# Altium PCB pUFM_Digital_Interface_R0.1-PCB.PcbDoc (part 2 of 3) (continued)
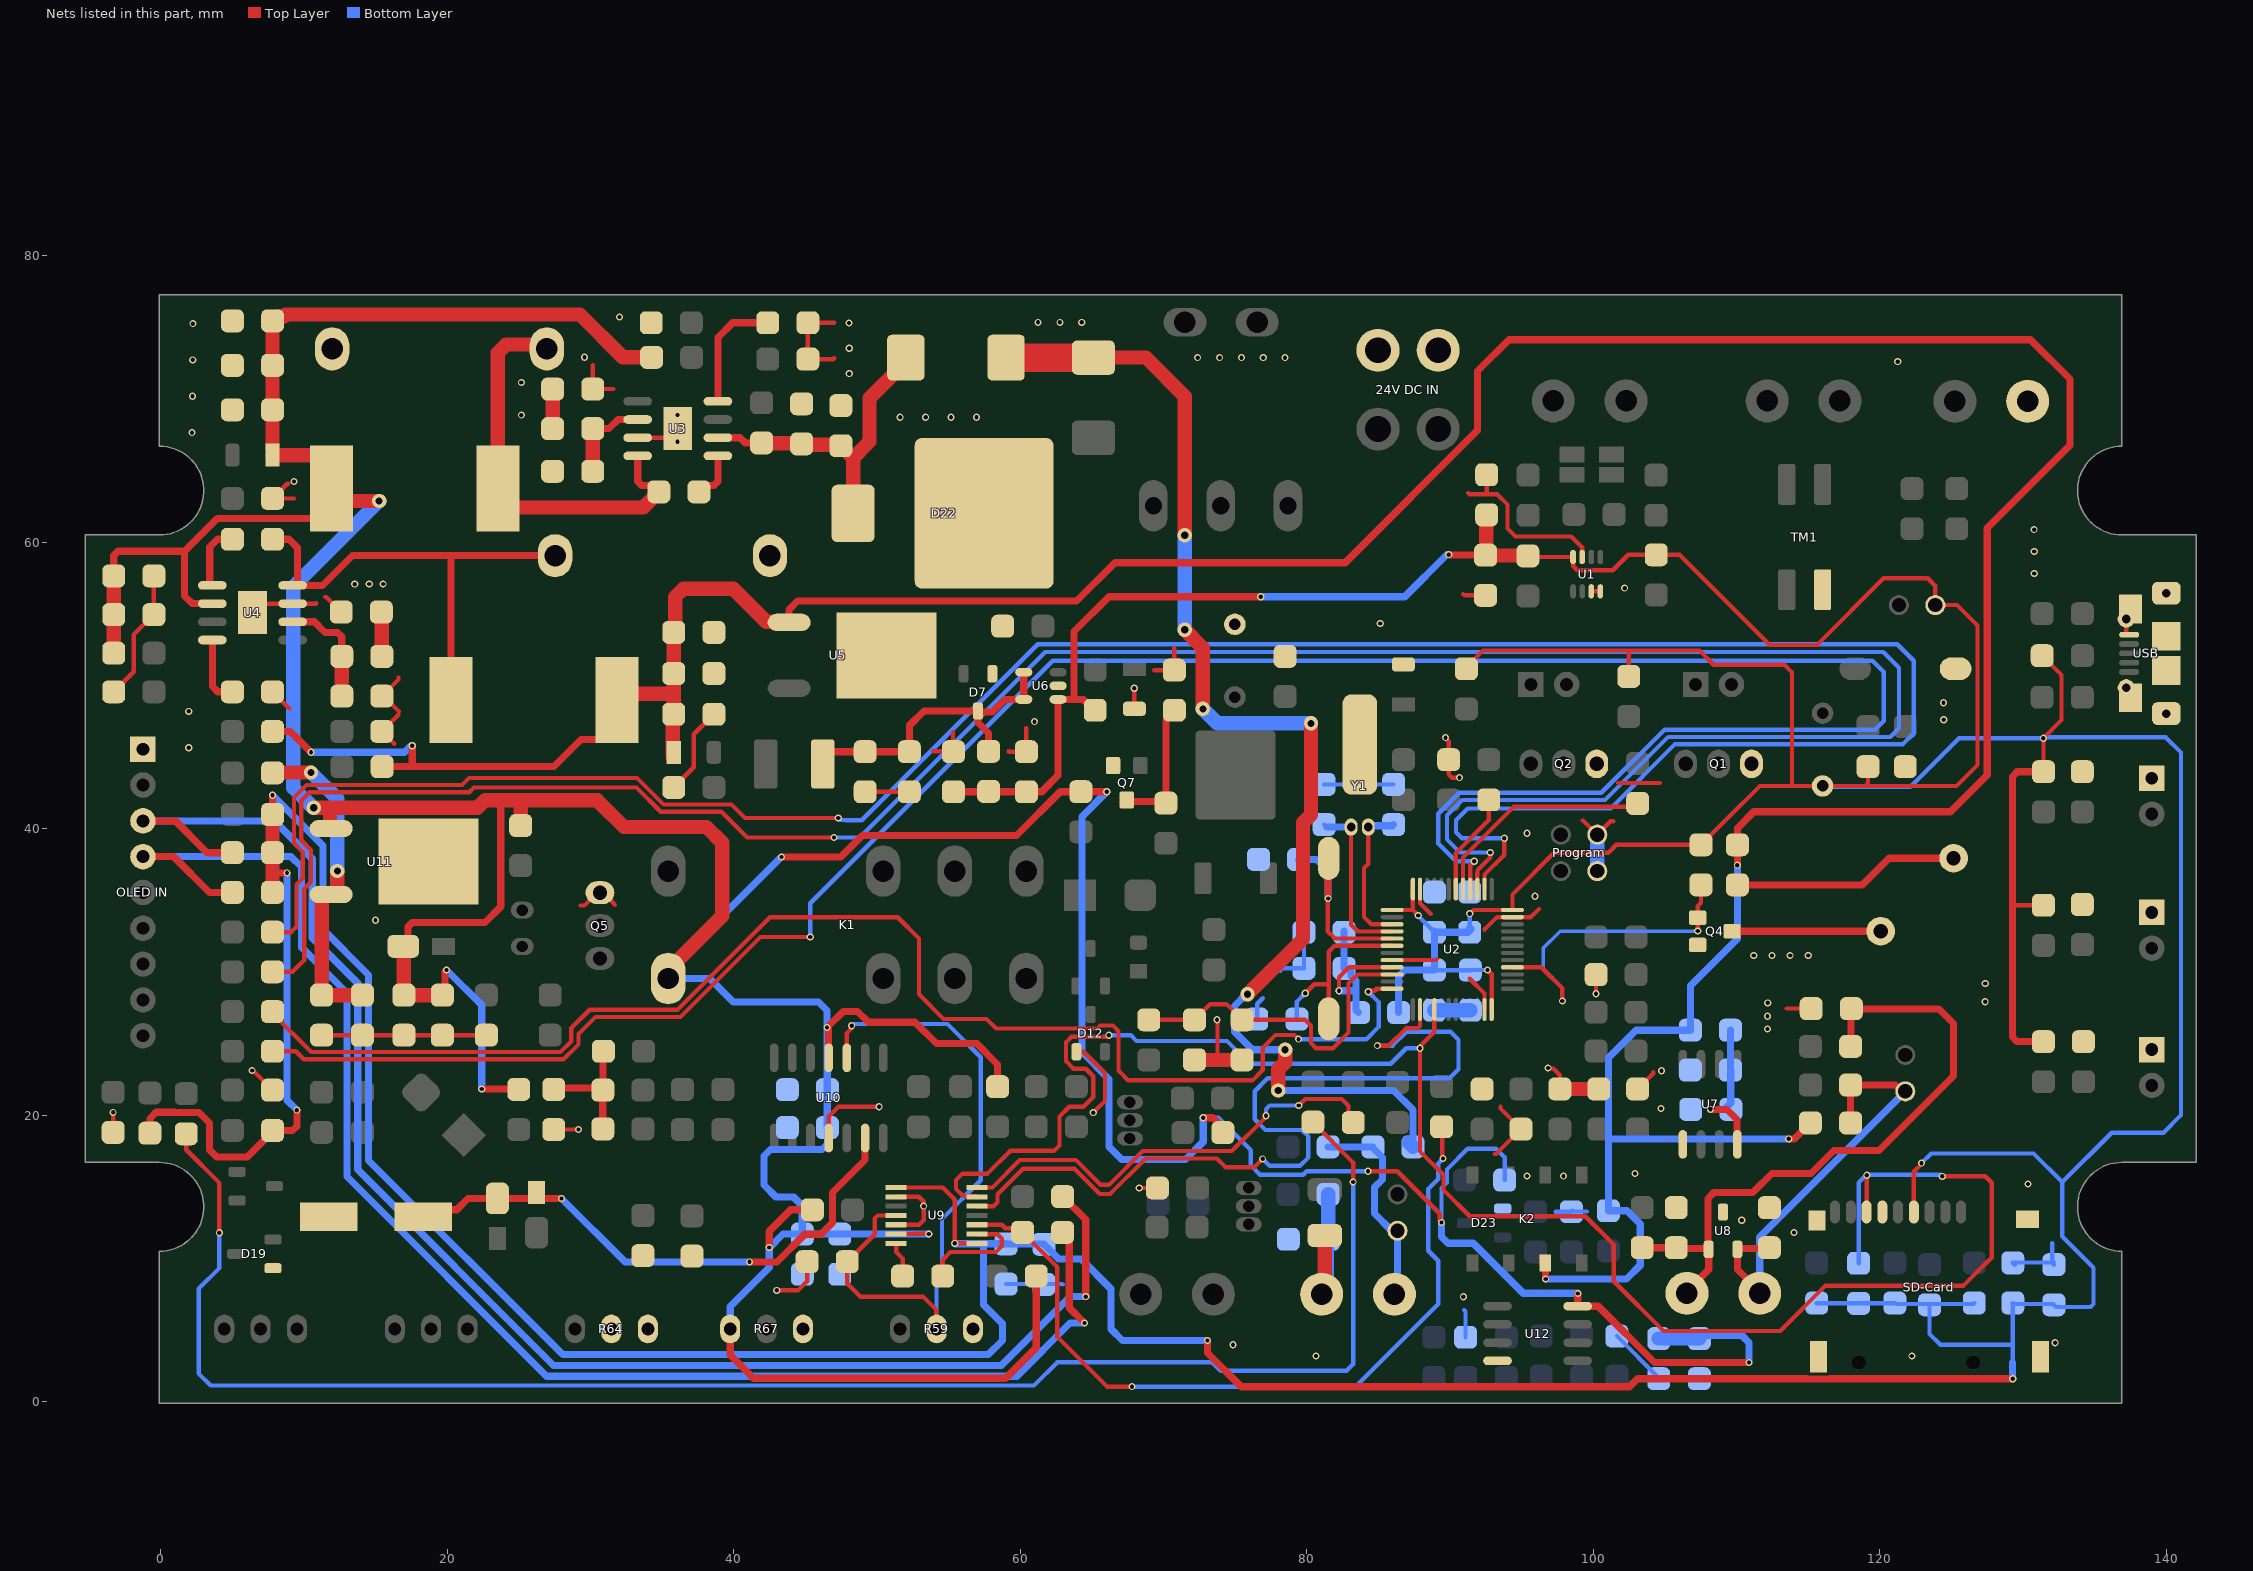
[diagram p2: the nets of this part, all layers, seen from the top]
## Nets (pads, with @x,y where several pads share a name; then routed paths per layer and width w, separated by ;. In a path a pad name is that pad's centre, name@x,y a point inside that pad or via, vN(x,y) a via of type N, cw(c..) or ccw(c..) an arc to the next point about the centre after c; other vN are vias at no path point) (continued)
  Bottom Layer w0.5: v1(7.801,42.354) 11.326,38.829 11.326,32.991 14.508,29.809 14.508,16.861 28.067,3.302 57.759,3.302 58.75,4.294 58.75,5.461 57.429,6.782 57.429,11.047 ; v1(8.814,36.932) 8.814,21.057 v1(9.5,20.371) ; v1(55.423,11.067) 55.443,11.047 57.429,11.047 ; v1(73.073,4.294) 67.132,4.294 66.322,5.104 66.322,7.906 64.239,9.989 62.658,9.989 C46.1@61.646,11.001 61.633,11.014 59.017,11.014 C45.1@59.004,11.027 58.984,11.047 57.429,11.047 ; v1(76.79,56.212) 86.845,56.212 89.779,59.147 v1(89.907,59.147) ; FB1.1@86.414,27.178 86.414,29.696 86.862,30.144 C1.2@88.907,30.144 C5.2@88.907,32.788 ; C5.2@88.9,32.86 88.972,32.788 91.231,32.788 91.446,33.003 C3.2@91.377,33.071 ; 129.274,2.756 129.274,1.634 v1(129.286,1.623)
5V: C26.1 C32.1 C33.2 D6.1 K2.7 L2.2 R21.2 R24.2 R49.2 R54.2 R93.2 R115.1 U5.1 | length 267.2
  Top Layer w0.5: R93.2@7.801,46.803 9.035,46.803 v1(10.49,45.348) ; R21.2@15.446,44.348 17.602,44.348 ; v1(17.554,45.803) 17.554,44.397 17.602,44.348 ; L2.2@31.863,48.997 31.863,47.497 30.613,46.247 29.339,46.247 27.441,44.348 17.602,44.348 ; U5.1@43.866,54.421 43.866,55.321 44.45,55.905 63.932,55.905 66.612,58.586 82.678,58.586 91.923,67.83 91.923,71.958 94.107,74.143 130.531,74.143 133.274,71.399 133.274,66.778 127.501,61.005 127.501,43.77 124.927,41.196 111.201,41.196 110.058,40.053 R24.2@110.058,38.89 v1(110.058,37.47) ; v1@96.672,8.611 K2.7@96.672,9.701 ; v1(113.64,18.364) 114.043,18.364 R54.2@115.161,19.482
  Top Layer w1: L2.2@31.863,48.997 32.294,49.428 35.811,49.428 ; D6.1@35.735,45.034 35.735,47.93 C26.1@35.811,48.006 35.811,49.428 ; U5.1@43.866,54.421 43.828,54.459 42.266,54.459 39.956,56.769 36.488,56.769 35.903,56.183 35.903,53.813 C33.2@35.811,53.721 C32.1@35.811,50.851 35.811,49.428
  Bottom Layer w0.5: v1(10.49,45.348) 17.011,45.348 17.466,45.803 v1(17.554,45.803) ; v1(96.672,8.585) 102.323,8.585 103.276,9.538 103.276,12.421 102.35,13.347 R115.1@101.054,13.347 101.054,18.364 ; v1(110.058,37.47) 110.058,32.334 106.779,29.055 R49.2@106.779,25.951 102.985,25.951 101.054,24.02 101.054,18.364 ; v1(113.64,18.364) 101.054,18.364
12V: C57.2 C58.2 R92.2 U11.3 | length 22.3
  Top Layer w1: R92.2@7.801,43.908 7.835,43.942 v2(10.49,43.942) ; U11.3@11.328,35.394 11.319,35.394 11.227,35.301 C58.2@11.227,28.4 C57.2@13.938,28.4 ; U11.3@11.887,35.419 11.815,35.419 12.237,35.419 12.33,35.511 v2(12.33,37.059)
  Bottom Layer w1: v2(10.49,43.942) 12.33,42.102 v2(12.33,37.059)
15V: C4.1 C6.1 C27.1 C28.1 C29.1 C38.2 C39.2 C48.1 C49.1 C63.1 C64.1 C65.2 C66.2 D4.1 D9.2 K1.1 L1.2 R6.2 R30.2 R40.1 R42.2 R57.2 R58.2 R66.2 R67.3 R70.2 R118.2 R124.1 U4.2 U9.6 U10.4 U11.1 U12.8 | length 426.6
  Top Layer w0.3: U9.6@51.336,11.717 52.592,11.717 52.61,11.735 53.594,11.735 v1(53.605,11.724) ; v1(84.277,16.104) 86.315,16.104 89.287,13.132 89.287,12.647 v1(89.411,12.522)
  Top Layer w0.5: C4.1@-3.283,58.268 -3.283,59.088 -2.99,59.381 1.549,59.381 ; U4.2@3.601,55.728 3.582,55.747 2.172,55.747 1.659,56.26 1.659,59.381 3.949,61.671 10.679,61.671 11.929,62.921 L1.2@11.929,63.754 ; D9.2@16.967,31.91 17.261,31.91 17.261,33.172 17.554,33.465 22.624,33.465 23.733,34.574 23.733,42.008 ; C38.2@19.66,28.4 19.852,28.592 19.852,30.063 v1(19.947,30.159) ; v1@22.403,21.841 R66.2@24.987,21.841 ; R67.3@39.751,5.092 39.751,3.277 41.377,1.651 58.979,1.651 61.115,3.788 R58.2@61.115,8.788 ; v1(42.472,10.774) 42.472,11.908 43.975,13.411 R57.2@45.488,13.411 ; v1(43.332,38.037) 47.463,38.037 48.974,39.548 59.741,39.548 62.792,42.599 R40.1@64.231,42.599 R40.1@64.234,42.596 ; U10.4@46.625,24.022 46.606,24.041 46.606,26.041 v1(46.51,26.137) 47.638,27.264 48.641,27.264 49.405,26.501 52.657,26.501 54.142,25.016 56.959,25.016 58.416,23.559 R70.2@58.416,22.009 ; R40.1@64.688,42.141 R40.1@64.234,42.596 ; v1(66.04,42.596) R40.1@64.234,42.596 ; v1(72.771,19.837) 73.454,19.837 74.495,18.797 R118.2@74.12,18.422 ; v1@98.914,7.555 U12.8@98.914,6.68 100.35,6.68 104.275,2.756 v1(110.876,2.756)
  Top Layer w1: R6.2@-3.283,52.707 C6.1@-3.283,54.963 C4.1@-3.283,57.658 ; D4.1@7.801,66.091 10.929,66.091 11.929,65.091 L1.2@11.929,63.754 12.793,62.89 v2(15.24,62.89) ; D4.1@7.801,66.594 C29.1@7.801,69.256 C28.1@7.801,72.36 C27.1@7.801,75.464 8.101,75.764 8.544,75.764 8.687,75.907 29.262,75.907 32.246,72.923 R30.2@34.262,72.923 ; v2(10.679,41.473) 11.815,41.473 ; U11.1@11.887,40.019 11.815,40.091 11.815,41.473 ; U11.1@12.294,40.059 U11.1@12.295,40.057 ; D9.2@16.967,31.91 C39.2@16.967,28.4 C38.2@19.66,28.4 ; R42.2@25.121,40.237 25.121,42.008 ; K1.1@35.423,29.559 35.423,30.159 39.192,33.928 39.192,39.04 38.101,40.131 32.335,40.131 30.458,42.008 25.121,42.008 ; 11.815,41.473 22.1,41.473 22.635,42.008 23.733,42.008 25.121,42.008
  Bottom Layer w0.3: v1(72.771,19.837) 73.833,19.837 76.097,17.573 76.097,16.498 76.731,15.864 79.755,15.864 79.991,16.1 84.156,16.1 84.16,16.104 v1(84.277,16.104) ; v1(89.411,12.522) 89.411,14.938 89.786,15.313 89.786,16.231 91.227,17.672 93.215,17.672 93.815,17.072 R124.1@93.815,15.487
  Bottom Layer w0.5: v1(19.947,30.159) 22.403,27.703 v1(22.403,21.844) ; R67.3@39.751,5.092 39.751,6.655 42.472,9.376 42.472,10.742 43.443,11.712 C49.1@44.783,11.712 ; v1(43.332,38.037) 43.317,38.037 35.429,30.149 35.423,30.149 K1.1@35.423,29.559 35.423,29.554 38.319,29.554 39.959,27.915 45.913,27.915 46.51,27.317 v1(46.51,26.137) 46.523,26.124 46.523,21.425 46.536,21.412 46.523,21.399 C63.1@46.523,19.153 ; C63.1@46.536,19.153 46.536,18.004 46.16,17.628 42.572,17.628 42.118,17.174 42.118,15.134 42.935,14.317 44.154,14.317 44.783,13.688 C49.1@44.783,11.712 ; v1(53.605,11.724) 53.6,11.718 47.402,11.718 C48.1@47.396,11.712 C49.1@44.783,11.712 ; v1(66.04,42.596) 64.301,40.857 64.301,24.431 66.182,22.55 66.182,17.824 67.083,16.923 71.538,16.923 72.771,18.156 v1(72.771,19.837) ; v1(89.411,12.522) 89.411,11.531 89.868,11.074 91.614,11.074 95.107,7.581 v1@98.921,7.581 ; C65.2@107.404,4.423 107.63,4.648 110.363,4.648 110.876,4.135 v1(110.876,2.756)
  Bottom Layer w1: v2(10.679,41.473) 10.648,41.473 9.236,42.885 9.236,56.887 v2(15.24,62.89) ; C66.2@104.572,4.423 C65.2@107.404,4.423
  other v1: 98.921,7.569
24V: D21.1 F2.2 R121.2 | length 87.8
  Top Layer w1: D21.1@59.008,72.898 D21.1@59.011,72.901 ; F2.2@65.097,72.901 F2.2@65.1,72.904 68.77,72.904 71.49,70.184 v2@71.49,60.543 ; v2(71.476,53.899) 72.747,52.628 v2(72.747,48.383) ; v2(75.863,28.455) 79.731,32.323 79.731,40.437 80.289,40.996 v2(80.289,47.371) ; v2(78.003,21.742) 78.003,23.229 78.488,23.713 78.486,23.715 v2(78.486,24.587)
  Top Layer w2: D21.1@59.011,72.901 F2.2@65.097,72.901
  Bottom Layer w0.5: v2(75.863,28.455) 75.768,28.455 74.952,27.64 74.952,25.843 76.208,24.587 78.332,24.587 v2@78.488,24.431 ; v2(78.003,21.742) 86.06,21.742 87.414,20.389 R121.2@87.414,17.805
  Bottom Layer w1: v2(71.476,53.899) v2(71.476,60.503) ; v2(72.747,48.383) 73.758,47.371 v2(80.289,47.371) ; R121.2@87.114,18.105 R121.2@87.414,17.805
BUZZ: Q4.1 R17.1 U2.28 | length 24.1
  Top Layer w0.3: U2.28@94.357,30.344 96.366,30.344 97.841,28.869 v1(97.841,27.991) ; v1(107.29,32.868) 107.29,34.623 107.518,34.852 R17.1@107.518,36.09 R17.1@107.29,35.862
  Bottom Layer w0.25: v1(97.841,27.991) 97.841,28.921 96.495,30.267 96.495,31.668 97.695,32.868 v1(107.29,32.868)
DPOT_CS: U2.14 U9.12 | length 62.8
  Top Layer w0.3: U9.12@56.975,13.667 58.148,13.667 58.416,13.935 58.416,14.498 60.199,16.281 63.78,16.281 65.546,14.515 66.271,14.515 68.756,17 73.708,17 74.318,16.39 76.343,16.39 v1(76.92,16.967) ; v1(84.928,24.873) 85.721,24.873 86.924,26.076 87.735,26.076 87.907,26.249 U2.14@87.907,27.394
  Bottom Layer w0.3: v1(76.92,16.967) 77.406,16.481 79.523,16.481 80.112,17.07 80.112,18.526 79.653,18.984 77.967,18.984 77.112,18.984 76.364,19.732 76.364,21.691 77.265,22.592 89.954,22.592 90.586,23.225 90.586,25.289 90.032,25.843 86.963,25.843 85.994,24.873 v1(84.928,24.873)
DPOT_MISO: R13.1 SD-Card.7 U2.16 U9.13 | length 129
  Top Layer w0.3: U9.13@56.975,14.317 56.923,14.369 56.023,14.369 55.519,14.873 55.519,15.494 55.96,15.935 57.715,15.935 59.305,17.526 62.357,17.526 62.736,17.905 62.736,19.932 63.413,20.609 64.416,20.609 65.094,21.286 65.094,22.732 64.565,23.261 63.714,23.261 63.186,23.789 63.186,25.098 63.579,25.491 v1@66.044,25.491 ; 88.903,25.819 87.907,24.823 v1(87.907,24.693) 87.907,17.491 89.542,15.855 89.542,14.8 91.376,12.967 99.443,12.967 101.427,10.983 101.427,8.426 104.9,4.953 113.055,4.953 116.221,8.118 125.847,8.118 127.813,10.084 127.813,15.294 127.359,15.748 v1(124.358,15.748) ; 88.907,25.819 U2.16@88.907,27.027 ; SD-Card.7@119.074,13.256 119.087,13.269 119.087,15.812 v1(119.1,15.825)
  Bottom Layer w0.3: v1(66.182,25.592) 67.721,25.592 68.116,25.197 74.431,25.197 76.022,23.606 85.855,23.606 86.942,24.693 v1(87.907,24.693) ; R13.1@118.524,9.68 118.524,15.299 119.05,15.825 v1(119.1,15.825) ; v1@119.075,15.85 124.257,15.85 v1(124.358,15.748)
DPOT_RDY: R97.2 U9.14 | length 32.4
  Top Layer w0.3: U9.14@56.975,14.967 U9.14@56.978,14.969 ; U9.14@57.531,14.969 U9.14@56.978,14.969 ; 63.876,16.887 59.967,16.887 58.055,14.975 56.983,14.975 U9.14@56.978,14.969 ; 63.881,16.892 65.622,15.152 66.195,15.152 68.554,17.511 74.762,17.511 77.148,19.896 v1(77.148,19.982) v1@77.148,20.068 ; v1(79.435,20.689) 79.896,21.151 82.446,21.151 82.919,20.678 82.919,19.83 R97.2@83.245,19.503
  Bottom Layer w0.3: v1(77.148,19.982) 77.148,20.431 77.406,20.689 v1(79.435,20.689)
GND: "24V DC IN.1" "24V DC IN.2" "Converter OUT.2" "OLED IN.1" BUT1.1 BUT2.1 BUT3.1 C1.1 C2.1 C3.1 C4.2 C5.1 C6.2 C7.1 C8.1 C9.1 C10.1 C11.1 C12.2 C13.1 C14.1 C15.1 C16.1 C18.1 C19.1 C20.1 C21.1 C23.1 C24.1 C25.1 C26.2 C27.2 C28.2 C29.2 C30.2 C31.2 C32.2 C33.1 C34.1 C35.1 C36.1 C37.1 C38.1 C39.1 C40.1 C41.1 C42.1 C43.1 C44.2 C45.2 C46.2 C47.1 C48.2 C49.2 C50.1 C51.1 C52.2 C54.1 C55.1 C57.1 C58.1 C59.2 C60.2 C63.2 C64.2 C65.1 C66.1 D2.2 D3.1 D5.1 D7.1 D8.2 D12.1 D15.1 D19.1 D22.1 D23.1 Program.1 Program.3 Q1.1 Q2.1 Q4.2 Q5.1 Q7.2 R2.1 R3.1 R7.1 R11.1 R22.1 R26.1 R28.1 R31.1 R32.1 R33.1 R43.1 R46.1 R48.1 R55.1 R59.1 R64.1 R64.2 R67.1 R81.1 R82.1 R86.1 R88.1 R103.2 R105.1 R106.2 R107.1 R112.1 R113.2 R114.1 R120.1 R123.1 RESET.1 SD-Card.6 SD-Card.SH1 SD-Card.SH2 SD-Card.SH3 SD-Card.SH4 TM1.3 U1.3 U1.7 U1.8 U2.8 U2.23 U2.35 U2.47 U3.7 U3.9 U4.7 U4.9 U5.4 U6.2 U7.5 U8.3 U9.2 U9.5 U9.9 U10.11 U11.4 U12.4 USB.5 USB.SH1 USB.SH2 USB.SH3 USB.SH4 USB.SH5 USB.SH6 USB.SH7 USB.SH8 Y1.3 | length 199.8
  Top Layer w0.3: R88.1@-3.327,18.818 v1(-3.327,20.213) ; R7.1@-3.283,49.572 -1.883,50.972 -1.883,53.563 C6.2@-0.483,54.963 C4.2@-0.483,57.658 ; v1(6.378,23.139) 6.429,23.139 R86.1@7.801,21.768 ; U4.9@7.036,55.728 U4.7@9.201,55.728 10.83,55.728 10.85,55.747 ; C8.1@7.801,49.572 8.962,48.411 8.989,48.411 ; 8.9,64.099 8.832,64.099 R32.1@7.801,63.068 9.043,63.068 9.045,63.071 9.294,63.071 9.296,63.068 ; C58.1@11.227,25.6 C57.1@14.074,25.6 C39.1@16.967,25.6 C38.1@19.66,25.6 R43.1@22.733,25.6 ; 11.471,56.183 11.556,56.183 C25.1@12.595,55.143 ; 16.305,45.937 R22.1@15.438,46.803 16.583,47.948 16.583,47.991 ; 16.599,50.572 16.599,50.428 C21.1@15.438,49.267 15.555,49.267 16.626,48.197 ; C51.1@27.435,19.015 v1(29.161,19.015) ; 29.307,34.661 29.57,34.661 30.458,35.549 Q5.1@30.658,35.549 30.858,35.549 31.7,34.706 ; 30.153,72.36 C24.1@30.153,70.708 31.578,70.708 ; U3.7@33.293,67.31 35.458,67.31 U3.9@36.093,67.945 ; R26.1@35.811,42.901 37.211,44.301 37.211,46.606 C26.2@38.611,48.006 ; v1(43.004,7.788) 44.487,7.788 45.12,8.421 C50.1@45.12,9.788 ; U10.11@46.625,18.422 46.625,19.932 47.301,20.609 v1(50.146,20.609) ; 47.008,72.852 46.953,72.797 R28.1@45.17,72.797 C20.1@45.17,75.337 47.008,75.337 ; C34.1@49.174,42.593 C35.1@52.255,42.593 ; U9.5@51.336,12.367 52.932,12.367 53.255,12.69 v1(53.255,13.667) 53.255,13.979 52.917,14.317 U9.2@51.336,14.317 ; 53.903,45.418 C36.1@55.31,45.418 ; C47.1@54.588,8.788 54.588,9.931 55.118,10.462 58.295,10.462 58.71,10.877 58.71,11.409 58.416,11.703 56.989,11.703 U9.9@56.975,11.717 ; 55.307,46.77 55.307,45.421 C36.1@55.31,45.418 ; C36.1@55.335,45.393 C36.1@55.31,45.418 ; 59.173,45.421 59.201,45.393 C37.1@60.423,45.393 60.423,47.05 ; D12.1@63.915,24.444 64.417,24.444 65.915,22.946 65.915,21.017 v1(65.094,20.196) ; D8.2@67.961,48.383 v1(67.961,49.821) ; v1(68.309,14.935) R120.1@69.568,14.935 ; 69.36,51.082 C40.1@70.755,51.082 70.755,52.628 ; v1(73.735,26.677) 73.773,26.638 73.773,23.873 ; U2.8@85.957,30.844 89.01,30.844 89.081,30.915 ; U2.47@87.907,35.794 87.907,34.807 88.657,34.057 ; v1(89.68,46.373) 89.68,46.324 89.907,46.097 R3.1@89.907,44.834 89.907,43.808 90.137,43.578 v1(90.657,43.578) ; 90.922,56.395 91.008,56.309 C55.1@92.481,56.309 ; 91.265,63.453 91.358,63.36 92.558,63.36 ; 91.376,29.546 92.407,28.515 U2.23@92.407,27.394 ; 92.407,32.964 92.407,32.995 92.49,33.078 92.521,33.078 93.287,33.844 U2.35@94.357,33.844 95.638,33.844 96.209,34.415 ; C54.1@92.558,64.722 92.558,63.36 ; 93.13,17.307 93.215,17.307 R2.1@94.955,19.047 93.517,20.485 93.517,20.609 ; v1(96.85,23.305) 96.886,23.269 97.204,23.269 97.669,22.804 R106.2@97.669,21.847 ; U1.3@99.225,58.985 99.225,59.646 98.456,60.415 94.575,60.415 94.01,60.979 94.01,62.637 93.287,63.36 92.558,63.36 ; 99.251,40.592 99.286,40.592 Program.3@100.279,39.599 101.223,40.543 101.393,40.543 ; U1.7@99.86,56.585 U1.8@100.495,56.585 ; v1(100.192,28.495) R48.1@100.192,29.832 ; 101.738,43.206 104.643,43.206 ; R103.2@103.099,21.847 104.185,22.933 104.185,23.016 ; 113.498,27.457 R55.1@115.211,27.457 ; USB.SH1@137.205,54.654 137.205,53.6 137.251,53.554 USB.5@137.405,53.554
  Top Layer w0.5: C54.1@92.55,64.714 C54.1@92.558,64.722
  Top Layer w1: R11.1@72.161,23.873 73.773,23.873 ; 73.825,23.873 C15.1@75.489,23.873 ; R106.2@97.669,21.847 R105.1@100.384,21.847
  Bottom Layer w0.3: C45.2@59.004,8.227 62.935,8.227 62.96,8.201 ; C11.1@76.506,26.721 76.537,26.752 76.537,27.795 76.92,28.178 ; 78.141,30.107 78.302,30.267 C12.2@79.804,30.267 C14.1@79.804,32.788 ; C9.1@81.204,43.107 C7.1@86.055,43.107 ; 90.996,6.414 91.086,6.325 R114.1@91.086,4.516 ; 97.367,13.274 R113.2@98.476,13.274 R113.2@98.549,13.347 ; R113.2@98.549,13.297 99.543,13.297 ; R112.1@101.651,4.6 104.572,1.679 C66.1@104.572,1.623 C65.1@107.404,1.623 ; C60.2@129.286,9.706 C60.2@129.413,9.579 ; C60.2@129.413,9.731 C59.2@132.156,9.731 ; 132.029,11.078 132.029,9.706 C59.2@132.156,9.579
  Bottom Layer w1: C1.1@88.907,27.344 C2.1@91.415,27.344 ; Program.1@100.279,37.059 Program.3@100.279,39.599
  other v1: 80.645,3.2 122.237,3.2 74.854,3.988 132.239,4.135 90.932,7.341 114.016,11.824 110.359,12.684 130.353,15.215 95.377,15.773 97.927,15.761 102.908,15.951 104.733,20.482 104.755,23.123 112.166,26.035 112.166,26.924 112.177,27.857 127.356,27.94 127.359,29.21 111.201,31.166 112.471,31.166 113.741,31.166 115.011,31.166 14.995,33.627 95.937,35.297 95.37,39.703 1.956,45.669 60.994,47.489 124.461,47.624 1.956,48.207 124.45,48.813 85.131,54.343 102.188,56.807 13.545,57.087 14.554,57.099 15.519,57.099 130.785,57.836 130.785,59.36 130.777,60.894 9.296,64.258 36.068,67.031 2.184,67.666 51.611,68.739 53.391,68.732 55.169,68.732 56.947,68.732 25.171,68.885 36.068,68.902 2.21,70.206 25.171,71.163 48.057,71.78 121.26,72.619 2.235,72.746 72.379,72.898 73.914,72.898 75.438,72.898 76.962,72.898 78.486,72.898 29.582,72.923 48.057,73.558 2.237,75.274 48.049,75.324 61.229,75.36 62.763,75.362 64.287,75.362 32.016,75.736
LCD_CS: R91.1 U2.12 | length 98.9
  Top Layer w0.3: R91.1@7.801,27.252 7.801,27.125 10.504,24.421 27.91,24.421 28.657,25.169 28.657,26.096 29.941,27.38 36.077,27.38 42.532,33.834 51.446,33.834 52.923,32.357 52.923,28.455 54.644,26.734 57.647,26.734 58.317,26.065 65.384,26.065 65.59,26.271 66.463,26.271 66.861,25.873 66.861,23.125 67.539,22.447 76.2,22.447 76.92,23.167 76.92,24.707 77.823,25.61 79.139,25.61 v1(79.426,25.324) ; v1(84.293,28.636) 84.36,28.703 84.751,28.703 84.859,28.811 ; 84.859,28.844 U2.12@85.957,28.844
  Bottom Layer w0.3: v1(79.426,25.324) 84.16,25.324 85.014,26.178 85.014,27.915 v1(84.293,28.636)
LCD_CS2: R37.2 R98.2 | length 118.4
  Top Layer w0.3: R37.2@1.778,18.717 1.778,17.598 4.089,15.287 v1(4.089,11.811) ; R98.2@80.425,19.53 83.236,16.718 v1(83.236,15.359)
  Bottom Layer w0.3: v1(4.089,11.811) 4.089,9.347 2.642,7.899 2.642,1.993 3.494,1.14 60.956,1.14 62.587,2.771 73.397,2.771 73.997,2.171 82.776,2.171 83.236,2.631 v1(83.236,15.359)
LCD_DC: R90.1 U2.39 | length 179.7
  Top Layer w0.3: R90.1@7.801,30.025 9.201,30.025 10.008,30.832 10.008,35.825 10.49,36.307 10.49,38.514 9.8,39.204 9.8,41.98 10.379,42.559 21.528,42.559 21.856,42.887 33.21,42.887 34.898,41.199 39.132,41.199 40.936,39.395 v1(46.99,39.395) ; U2.39@91.907,35.794 91.907,36.944 91.917,36.954 91.917,37.118 92.804,38.006 v1(92.804,38.354)
  Bottom Layer w0.3: v1(46.99,39.395) 48.793,39.395 61.747,52.349 120.244,52.349 121.336,51.257 121.336,47.03 120.728,46.422 105.223,46.422 100.819,42.018 90.849,42.018 89.786,40.955 89.786,39.272 90.703,38.354 v1(92.804,38.354)
LCD_FSO: R36.2 U2.40 | length 170.7
  Top Layer w0.3: R36.2@7.801,24.48 9.419,24.48 9.982,23.917 28.118,23.917 29.161,24.96 29.161,25.691 30.346,26.876 36.286,26.876 41.871,32.461 v1(45.339,32.461) ; U2.40@91.407,35.794 91.407,37.457 v1(91.694,37.744)
  Bottom Layer w0.3: v1(45.339,32.461) 45.339,34.808 62.271,51.74 119.482,51.74 120.273,50.948 120.273,47.529 119.67,46.926 104.965,46.926 100.561,42.522 90.641,42.522 89.182,41.063 89.182,38.978 90.415,37.744 v1(91.694,37.744)
LCD_MOSI: "OLED IN.4" R38.2 R100.1 | length 107.3
  Top Layer w0.5: -1.245,38.064 0.912,38.064 3.407,35.569 R38.2@5.001,35.569 ; R100.1@62.957,11.836 63.413,11.38 63.413,6.581 v1(64.479,5.514)
  Bottom Layer w0.5: -1.245,38.064 9.089,38.064 9.818,37.335 9.818,31.735 13,28.552 13,15.727 26.933,1.794 59.757,1.794 63.478,5.514 v1(64.479,5.514)
LCD_RES: R89.1 U2.38 | length 179.8
  Top Layer w0.3: R89.1@7.801,32.797 9.101,32.797 9.474,33.17 9.474,36.12 9.901,36.547 9.901,38.39 9.296,38.995 9.296,42.189 10.17,43.063 21.023,43.063 21.521,43.561 33.249,43.561 35.104,41.706 39.844,41.706 40.783,40.767 v1(47.295,40.767) ; U2.38@92.407,35.794 92.407,36.737 92.417,36.747 92.417,36.82 93.792,38.195 v1(93.792,39.345)
  Bottom Layer w0.3: v1(47.295,40.767) 47.438,40.623 47.803,40.623 47.816,40.61 48.938,40.61 61.221,52.893 121.224,52.893 122.377,51.74 122.377,46.676 121.619,45.918 105.709,45.918 101.213,41.421 91.231,41.421 90.415,40.605 90.415,39.77 90.841,39.344 v1(93.792,39.345) v1(93.792,39.345)
LCD_SCLK: "OLED IN.3" R39.2 R101.1 | length 109.2
  Top Layer w0.5: -1.245,40.564 1.012,40.564 3.235,38.341 R39.2@5.001,38.341 ; R101.1@62.957,14.337 64.565,12.729 v1(64.565,7.349)
  Bottom Layer w0.5: -1.245,40.564 7.925,40.564 10.572,37.917 10.572,32.405 13.754,29.223 13.754,16.218 27.424,2.548 58.667,2.548 63.467,7.349 v1(64.565,7.349)
LED1_ON_OFF: R5.1 U2.41 | length 16.1
  Top Layer w0.3: U2.41@90.907,35.794 90.907,38.007 94.438,41.539 R5.1@103.369,41.539
LED2_ON_OFF: R10.1 U2.42 | length 7.2
  Top Layer w0.3: U2.42@90.407,35.794 90.407,38.32 92.705,40.618 R10.1@92.705,42.034
MOSI: R100.2 R104.2 U9.10 | length 55.2
  Top Layer w0.3: U9.10@56.975,12.367 58.71,12.367 58.952,12.126 59.867,12.126 R100.2@60.157,11.836 62.589,9.404 62.589,4.528 66.05,1.067 v1(67.793,1.067) ; R104.2@89.411,19.209 89.463,19.157 89.463,17.035 v1(89.511,16.987)
  Bottom Layer w0.3: v1(67.793,1.067) 83.413,1.067 89.182,6.835 89.182,9.859 88.482,10.559 88.482,14.863 89.182,15.563 89.182,16.642 v1@89.511,16.971
Net4-20mA_1: 4-20mA.1 R121.1 R126.1 Test.1 | length 14.8
  Bottom Layer w0.5: R126.1@81.489,17.805 R121.1@84.614,17.805 84.614,17.724 85.281,17.057 85.281,15.537 84.731,14.986 84.731,13.151 85.935,11.947 Test.1@86.335,11.947 4-20mA.1@86.335,7.518
Net4-20mA_2: 4-20mA.2 R119.2 R122.1 R123.2 | length 11.2
  Top Layer w1: 4-20mA.2@81.255,7.518 R122.1@81.255,11.617
  Bottom Layer w1: 4-20mA.2@81.255,7.518 81.383,7.647 81.383,11.225 81.5,11.343 81.5,14.476 R119.2@81.489,14.487
NetBZ1_1: Buzzer.1 R24.1 | length 15.9
  Top Layer w0.5: R24.1@110.058,36.09 118.774,36.09 120.637,37.953 Buzzer.1@125.151,37.953
NetBZ1_2: Buzzer.2 Q4.3 | length 10.4
  Top Layer w0.5: Q4.3@109.687,32.853 109.691,32.858 120.056,32.858 Buzzer.2@120.06,32.862
NetC7_2: C7.2 U2.3 Y1.2 | length 10.4
  Top Layer w0.3: Y1.2@84.293,40.132 84.293,37.562 83.993,37.262 83.993,33.861 84.497,33.357 ; 84.497,33.344 U2.3@85.957,33.344
  Bottom Layer w0.5: Y1.2@84.293,40.132 84.38,40.219 85.968,40.219 C7.2@86.055,40.307
NetC8_2: C8.2 U4.4 | length 5
  Top Layer w0.5: U4.4@3.601,53.188 3.424,53.188 3.601,53.011 3.601,49.942 3.971,49.572 C8.2@5.001,49.572
NetC9_2: C9.2 U2.4 Y1.1 | length 11.8
  Top Layer w0.3: Y1.1@83.093,40.132 83.093,33.312 83.552,32.853 83.561,32.844 U2.4@85.957,32.844
  Bottom Layer w0.3: C9.2@81.204,40.307 C9.2@81.379,40.132
  Bottom Layer w0.5: C9.2@81.379,40.132 Y1.1@83.093,40.132
NetC10_2: C10.2 U2.5 Y2.2 | length 17.3
  Top Layer w0.3: Y2.2@81.458,37.874 81.458,37.497 81.458,32.846 81.96,32.344 U2.5@85.957,32.344
  Top Layer w0.5: Y2.2@81.458,37.874 81.08,37.874 81.458,37.497 81.489,37.465 v1(81.489,35.146)
  Bottom Layer w0.5: C10.2@79.429,37.871 80.67,37.871 81.489,37.052 v1(81.489,35.146)
NetC11_2: C11.2 U2.6 Y2.1 | length 13.2
  Top Layer w0.3: v1(79.896,28.533) 80.521,29.157 81.527,29.157 ; Y2.1@81.527,26.744 81.527,29.157 ; U2.6@85.957,31.844 81.94,31.844 81.527,31.431 81.527,29.157
  Bottom Layer w0.3: C11.2@79.306,26.721 79.306,27.943 v1(79.896,28.533)
NetC12_1: C12.1 C14.2 FB1.2 U2.9 | length 11.8
  Top Layer w0.3: v1(82.245,28.703) 82.245,29.642 82.946,30.344 U2.9@85.957,30.344
  Bottom Layer w0.5: v1(82.245,28.703) 83.384,28.703 83.425,28.744 ; C12.1@82.604,30.267 C14.2@82.604,32.788 C14.2@82.604,32.863 ; C12.1@83.093,30.043 83.093,29.735 83.425,29.403 83.425,28.744 ; FB1.2@83.614,27.178 83.425,27.367 83.425,28.744
NetC15_2: C15.2 R9.2 R11.2 U2.10 | length 23.6
  Top Layer w0.3: R9.2@68.966,26.673 R11.2@72.161,26.673 73.257,27.768 74.394,27.768 C15.2@75.489,26.673 79.873,26.673 80.289,26.257 80.289,25.046 80.642,24.693 81.824,24.693 82.919,25.788 82.919,29.222 83.541,29.844 U2.10@85.957,29.844
NetC17_1: C17.1 U4.1 | length 4.5
  Top Layer w0.5: U4.1@3.417,56.969 3.417,59.676 3.964,60.223 C17.1@5.001,60.223
NetC17_2: C17.2 D5.2 L2.1 U4.8 | length 34.1
  Top Layer w0.5: C17.2@7.801,60.223 8.947,60.223 9.538,59.632 9.538,57.015 U4.8@9.521,56.998 ; U4.8@9.036,56.988 U4.8@9.201,56.988 ; U4.8@9.201,56.998 U4.8@9.521,56.998 ; L2.1@20.263,48.997 20.263,59.08 ; D5.2@27.527,59.08 20.263,59.08 ; U4.8@9.521,56.998 11.296,56.998 13.379,59.08 20.263,59.08
NetC20_2: C20.2 U3.4 | length 8.7
  Top Layer w0.5: U3.4@39.248,69.85 U3.4@38.893,69.85 38.893,74.301 39.929,75.337 C20.2@42.37,75.337
NetC21_2: C21.2 R20.2 U4.6 | length 8
  Top Layer w0.5: U4.6@9.201,54.458 10.732,54.458 11.468,53.721 12.341,53.721 12.638,53.423 R20.2@12.638,52.047
  Top Layer w1: C21.2@12.638,49.267 R20.2@12.638,52.047
NetC22_1: C22.1 U3.1 | length 3.4
  Top Layer w0.5: C22.1@37.57,63.525 38.027,63.983 38.601,63.983 38.893,64.276 U3.1@38.893,66.04
NetC22_2: C22.2 D3.2 L1.1 U3.8 | length 29.2
  Top Layer w0.5: U3.8@33.293,66.04 33.293,64.258 33.569,63.983 34.312,63.983 C22.2@34.77,63.525
  Top Layer w1: D3.2@27.058,73.812 24.115,73.812 23.529,73.227 L1.1@23.529,63.754 23.529,63.433 24.529,62.433 33.677,62.433 C22.2@34.77,63.525
NetC23_2: C23.2 R29.2 U3.6 | length 6.4
  Top Layer w0.5: R29.2@30.153,67.945 31.293,67.945 31.928,68.58 U3.6@33.293,68.58
  Top Layer w1: C23.2@30.153,64.965 R29.2@30.153,67.945
NetC24_2: C24.2 R29.1 | length 2.8
  Top Layer w1: R29.1@27.353,67.945 C24.2@27.353,70.708
NetC25_2: C25.2 R20.1 | length 3.1
  Top Layer w1: C25.2@15.395,55.143 15.417,55.122 15.417,52.068 R20.1@15.438,52.047
NetC30_1: C30.1 C31.1 D21.2 D22.2 R27.2 U3.2 | length 22.4
  Top Layer w0.5: U3.2@38.893,67.31 40.437,67.31 40.795,66.952 R27.2@41.941,66.952
  Top Layer w1: R27.2@41.941,66.952 41.979,66.914 44.697,66.914 C31.1@44.735,66.876 44.798,66.812 47.415,66.812 C30.1@47.478,66.749 48.33,65.896 ; D22.2@48.33,62.027 48.33,65.896 ; D21.2@52.008,72.898 52.008,72.598 49.479,70.069 49.479,67.045 48.33,65.896
NetC34_2: C34.2 C35.2 D7.3 F1.2 R34.1 U6.4 U6.5 | length 21.6
  Top Layer w0.5: F1.2@46.221,44.526 46.221,44.817 46.797,45.393 C34.2@49.174,45.393 C35.2@52.255,45.393 52.255,47.2 53.285,48.23 D7.3@57.048,48.23 ; R34.1@57.785,46.024 57.785,46.701 57.048,47.438 D7.3@57.048,48.23 ; U6.4@60.243,50.937 U6.5@60.243,49.037 58.925,49.037 58.046,48.158 57.12,48.158 D7.3@57.048,48.23
NetC40_2: C40.2 Q7.3 R45.1 | length 9.6
  Top Layer w0.5: Q7.3@67.429,42.018 67.539,41.908 70.058,41.908 R45.1@70.168,41.799 70.168,47.614 70.755,48.201 C40.2@70.755,48.282
NetC41_2: C41.2 C42.2 R49.1 U7.8 | length 10.6
  Top Layer w0.5: v1(108.179,20.422) 109.34,20.422 110.039,19.722 110.039,17.996 U7.8@110.058,17.977
  Bottom Layer w0.25: C42.2@109.579,23.165 C42.2@109.591,23.152
  Bottom Layer w0.5: v1(108.179,20.422) 109.137,20.422 109.144,20.415 109.591,20.863 C42.2@109.591,23.152 ; C42.2@109.579,23.165 R49.1@109.579,25.951
NetC43_2: C43.2 R52.2 R55.2 R56.2 RS485.2 U8.1 | length 46.4
  Top Layer w0.5: R56.2@103.415,10.767 105.737,10.767 105.792,10.711 U8.1@108.003,10.711 ; RS485.2@106.541,7.579 106.541,7.727 108.058,9.244 U8.1@108.058,10.656 U8.1@108.003,10.711 ; R52.2@117.961,24.816 117.986,24.841 117.986,27.432 124.13,27.432 125.146,26.416 125.146,22.758 119.94,17.553 116.798,17.553 115.197,15.951 112.475,15.951 111.154,14.63 108.439,14.63 108.003,14.195 U8.1@108.003,10.711
NetC44_1: C44.1 R53.2 R54.1 RS485.1 Termination.2 U8.2 | length 30.9
  Top Layer w0.5: RS485.1@111.575,7.579 111.575,7.727 110.058,9.244 U8.2@110.058,10.656 110.114,10.711 112.238,10.711 C44.1@112.293,10.767 ; R54.1@117.961,19.482 R53.2@117.961,22.123 121.092,22.123 121.536,21.679 Termination.2@121.78,21.679
  Bottom Layer w0.5: RS485.1@111.621,7.579 111.621,11.52 Termination.2@121.78,21.679
NetC47_2: C47.2 U9.7 | length 2.5
  Top Layer w0.3: U9.7@51.336,11.067 51.336,10.462 51.788,10.011 C47.2@51.788,8.788
NetC50_2: C50.2 R59.2 U9.4 U10.3 | length 47.9
  Top Layer w0.3: U10.3@47.895,24.022 47.895,25.754 48.225,26.084 v1(48.225,26.26) ; U9.4@51.336,13.017 50.04,13.017 49.835,12.812 49.835,11.703 C50.2@47.92,9.788 47.92,8.258 48.829,7.349 53.205,7.349 54.142,6.411 54.142,5.106 R59.2@54.156,5.092
  Bottom Layer w0.3: v1(48.225,26.26) 48.35,26.384 54.92,26.384 57.239,24.066 57.239,15.469 54.534,12.764 54.534,8.912 54.156,8.534 R59.2@54.156,5.092
NetC51_2: C51.2 R60.2 R80.1 R83.1 | length 8.3
  Top Layer w0.5: C51.2@28.05,21.815 28.158,21.923 30.75,21.923 R80.1@30.858,22.031 ; R83.1@30.858,19.061 R80.1@30.858,21.768 R80.1@30.858,22.031 ; R60.2@30.876,24.48 30.876,22.049 R80.1@30.858,22.031
NetC52_1: C52.1 D16.2 D17.1 U10.13 | length 39.3
  Top Layer w0.5: C52.1@18.321,12.916 18.822,13.417 20.66,13.417 21.447,14.205 D16.2@23.495,14.205 25.884,14.205 D17.1@26.234,14.555 ; D17.1@26.234,14.617 D17.1@26.234,14.555 ; v1(27.98,14.205) 26.584,14.205 D17.1@26.234,14.555 ; v1(41.1,9.778) 41.108,9.77 43.023,9.77 44.956,11.703 46.088,11.703 46.888,12.503 46.888,14.611 49.165,16.887 U10.13@49.165,18.422
  Bottom Layer w0.5: v1(27.98,14.205) 32.407,9.778 v1(41.1,9.778)